# Allegro board RK_NVR_DEMO_RK3568_DDR4P216SD4_V12_20201221YWQ_final.brd
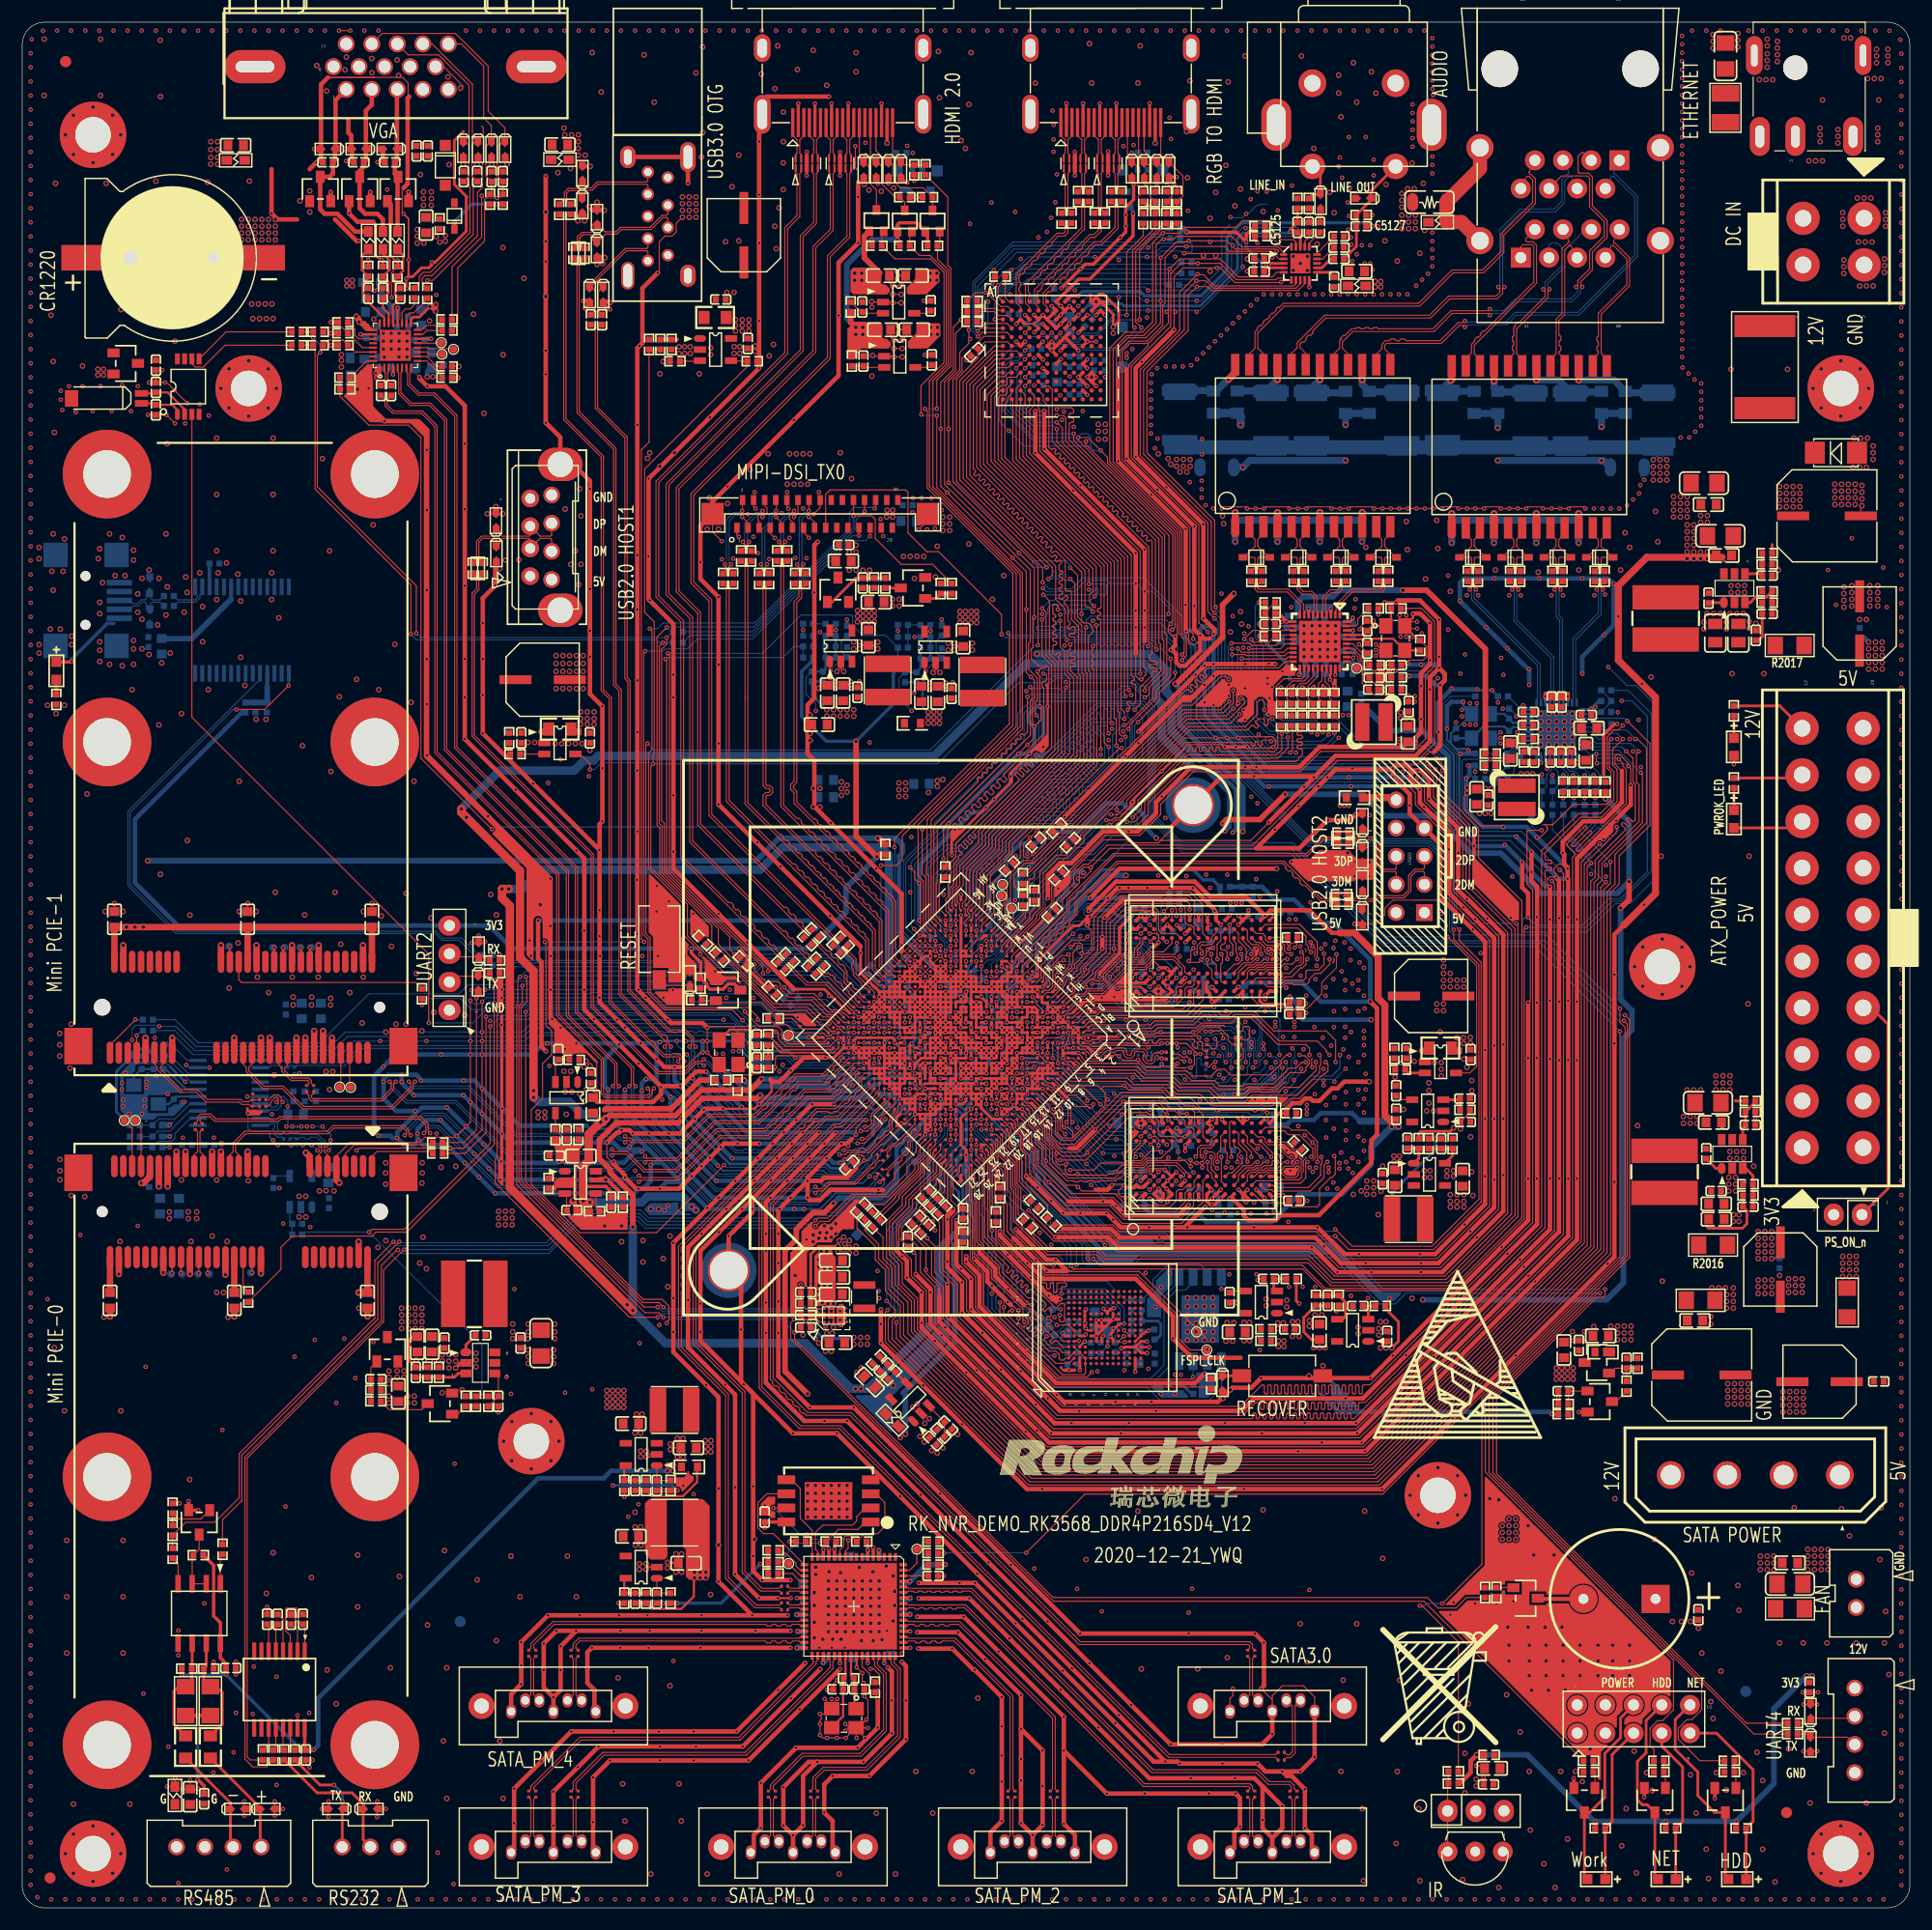
[diagram p0: board, top side]
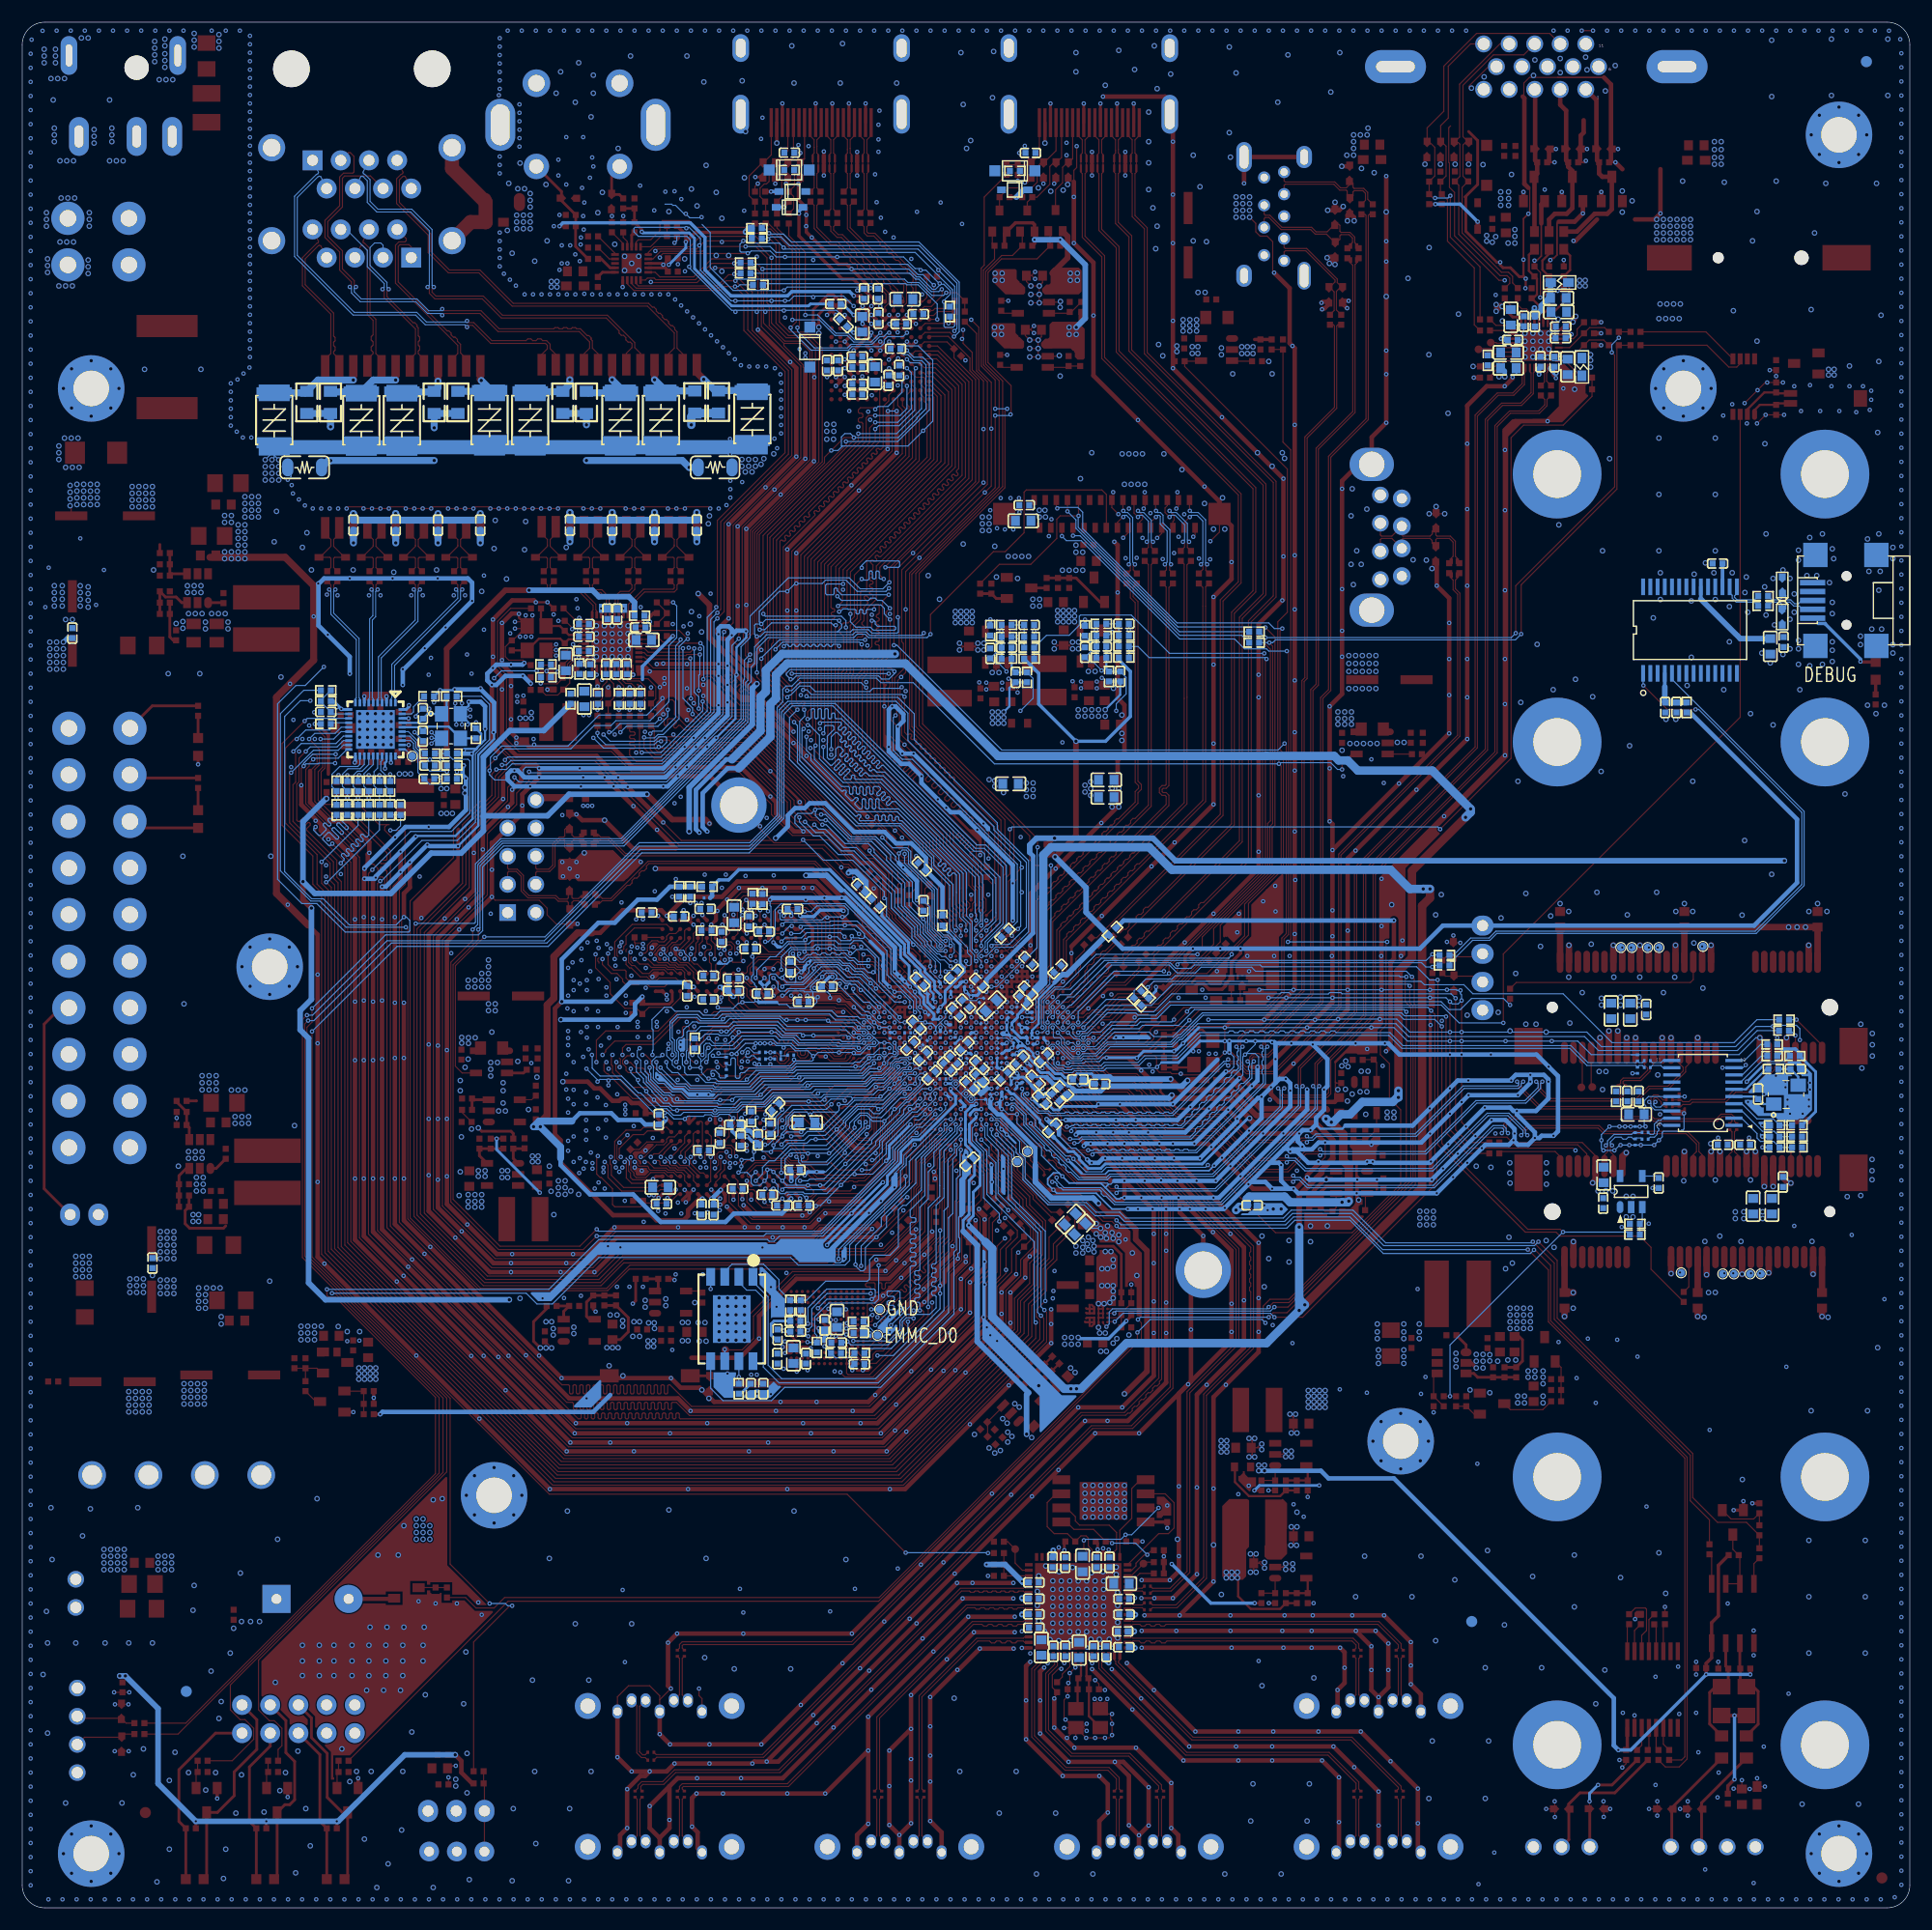
[diagram p1: board, bottom side, seen from below]

Outline 170.08 x 169.98 mm; copper layers: TOP, GND, POWER, BOTTOM. Coordinates in mm from the lower left corner of the outline.
Outline path: 0,167.94 0,2.03 arc(0.6,0.6) 2.03,0 168.05,0 arc(169.48,0.6) 170.08,2.03 170.08,167.94 arc(169.48,169.38) 168.05,169.98 2.03,169.98 arc(0.6,169.38) 0,167.94

## Design rules (mm)
constraint set DEFAULT: min track width 0.102, pair gap 0.102
net group CLK0N: nets CLK0N CLK_0N
net group CLK0P: nets CLK0P CLK_0P
net group CLK1N: nets CLK1N CLK_1N
net group CLK1P: nets CLK1P CLK_1P
net group CLK3: nets CLK3N CLK3P
net group DDR4_BG1: nets DDR4_BG1 DDR4_BG1/VSS
net group DEBUG0_USBDM: nets DEBUG0_USB_DM DEBUG0_USBDM
net group DEBUG0_USBDP: nets DEBUG0_USB_DP DEBUG0_USBDP
net group DP9: nets PCIE30_REFCLKN_IN PCIE30_REFCLKP_IN
net group DP_TX_AUX: nets DP_TX_AUXN DP_TX_AUXP
net group EDP_TX_AUX: nets EDP_TX_AUXN EDP_TX_AUXP
net group EDP_TXD0N: nets EDP_TX_D0N EDP_TXD0N
net group EDP_TXD0P: nets EDP_TX_D0P EDP_TXD0P
net group EDP_TXD1N: nets EDP_TX_D1N EDP_TXD1N
net group EDP_TXD1P: nets EDP_TX_D1P EDP_TXD1P
net group EMMC_CLKOUT: nets EMMC_CLKOUT EMMC_CLKOUT_SOC
net group EMMC_DATA_STROBE: nets EMMC_DATA_STROBE EMMC_DATA_STROBE_SOC
net group EMMC_RSTN: nets EMMC_RSTN EMMC_RSTN/FSPI_D2
net group ETH0_REFCLKO_25M: nets ETH0_REFCLKO_25M GPIO2_C1
net group ETH1_REFCLKO_25M_M1: nets ETH1_REFCLKO_25M_M1 GPIO4_B3_D
net group GMAC0_RXCLK: nets GMAC0_RXCLK PHY0_RXCLK/PHYAD1
net group GMAC0_RXD0: nets GMAC0_RXD0 PHY0_RXD0/RXDLY
net group GMAC0_RXD1: nets GMAC0_RXD1 PHY0_RXD1/TXDLY
net group GMAC0_RXD2: nets GMAC0_RXD2 PHY0_RXD2/PLLOFF
net group GMAC0_RXD3: nets GMAC0_RXD3 PHY0_RXD3/PHYAD0
net group GMAC0_RXDV_CRS: nets GMAC0_RXDV_CRS PHY0_RXDV/PHYAD2
net group GMAC0_TXCLK: nets GMAC0_TXCLK GPIO2_B0
net group GMAC0_TXD0: nets GMAC0_TXD0 GPIO2_B3
net group GMAC0_TXD1: nets GMAC0_TXD1 GPIO2_B4
net group GMAC0_TXD2: nets GMAC0_TXD2 GPIO2_A6
net group GMAC0_TXD3: nets GMAC0_TXD3 GPIO2_A7
net group GMAC0_TXEN: nets GMAC0_TXEN GPIO2_B5
net group GMAC1_RXCLK_M1: nets GMAC1_RXCLK_M1 PHY1_RXCLK/PHYAD1
net group GMAC1_RXD0_M1: nets GMAC1_RXD0_M1 PHY1_RXD0/RXDLY
net group GMAC1_RXD1_M1: nets GMAC1_RXD1_M1 PHY1_RXD1/TXDLY
net group GMAC1_RXD2_M1: nets GMAC1_RXD2_M1 PHY1_RXD2/PLLOFF
net group GMAC1_RXD3_M1: nets GMAC1_RXD3_M1 PHY1_RXD3/PHYAD0
net group GMAC1_RXDV_CRS_M1: nets GMAC1_RXDV_CRS_M1 PHY1_RXDV/PHYAD2
net group GMAC1_TXCLK_M1: nets GMAC1_TXCLK_M1 GPIO4_A0_D
net group GMAC1_TXD0_M1: nets GMAC1_TXD0_M1 GPIO4_A4_D
net group GMAC1_TXD1_M1: nets GMAC1_TXD1_M1 GPIO4_A5_D
net group GMAC1_TXD2_M1: nets GMAC1_TXD2_M1 GPIO3_D6_D
net group GMAC1_TXD3_M1: nets GMAC1_TXD3_M1 GPIO3_D7_D
net group GMAC1_TXEN_M1: nets GMAC1_TXEN_M1 GPIO4_A6_D
net group HDMI14_TX0N: nets HDMI14_TX0N HDMI14_TX0N_PORT
net group HDMI14_TX0P: nets HDMI14_TX0P HDMI14_TX0P_PORT
net group HDMI14_TX1N: nets HDMI14_TX1N HDMI14_TX1N_PORT
net group HDMI14_TX1P: nets HDMI14_TX1P HDMI14_TX1P_PORT
net group HDMI14_TX2N: nets HDMI14_TX2N HDMI14_TX2N_PORT
net group HDMI14_TX2P: nets HDMI14_TX2P HDMI14_TX2P_PORT
net group HDMI14_TXCLKN: nets HDMI14_TXCLKN HDMI14_TXCLKN_PORT
net group HDMI14_TXCLKP: nets HDMI14_TXCLKP HDMI14_TXCLKP_PORT
net group HDMI_TX0N: nets HDMI_TX0N HDMI_TX0N_PORT
net group HDMI_TX0P: nets HDMI_TX0P HDMI_TX0P_PORT
net group HDMI_TX1N: nets HDMI_TX1N HDMI_TX1N_PORT
net group HDMI_TX1P: nets HDMI_TX1P HDMI_TX1P_PORT
net group HDMI_TX2N: nets HDMI_TX2N HDMI_TX2N_PORT
net group HDMI_TX2P: nets HDMI_TX2P HDMI_TX2P_PORT
net group HDMI_TXCLKN: nets HDMI_TXCLKN HDMI_TXCLKN_PORT
net group HDMI_TXCLKP: nets HDMI_TXCLKP HDMI_TXCLKP_PORT
net group LAN0_A: nets LAN0_A+ LAN0_A-
net group LAN0_B: nets LAN0_B+ LAN0_B-
net group LAN0_C: nets LAN0_C+ LAN0_C-
net group LAN0_D: nets LAN0_D+ LAN0_D-
net group LAN1_A: nets LAN1_A+ LAN1_A-
net group LAN1_B: nets LAN1_B+ LAN1_B-
net group LAN1_C: nets LAN1_C+ LAN1_C-
net group LAN1_D: nets LAN1_D+ LAN1_D-
net group LCDC_CLK: nets LCDC_CLK LCDC_CLK_SOC
net group MIPI_DSI_TX0_CLKN: nets MIPI_DSI_TX0_CLKN MIPI_DSI_TX0_CLKN/LVDS_TX0_CLKN
net group MIPI_DSI_TX0_CLKP: nets MIPI_DSI_TX0_CLKP MIPI_DSI_TX0_CLKP/LVDS_TX0_CLKP
net group MIPI_DSI_TX0_D0N: nets MIPI_DSI_TX0_D0N MIPI_DSI_TX0_D0N/LVDS_TX0_D0N
net group MIPI_DSI_TX0_D0P: nets MIPI_DSI_TX0_D0P MIPI_DSI_TX0_D0P/LVDS_TX0_D0P
net group MIPI_DSI_TX0_D1N: nets MIPI_DSI_TX0_D1N MIPI_DSI_TX0_D1N/LVDS_TX0_D1N
net group MIPI_DSI_TX0_D1P: nets MIPI_DSI_TX0_D1P MIPI_DSI_TX0_D1P/LVDS_TX0_D1P
net group MIPI_DSI_TX0_D2N: nets MIPI_DSI_TX0_D2N MIPI_DSI_TX0_D2N/LVDS_TX0_D2N
net group MIPI_DSI_TX0_D2P: nets MIPI_DSI_TX0_D2P MIPI_DSI_TX0_D2P/LVDS_TX0_D2P
net group MIPI_DSI_TX0_D3N: nets MIPI_DSI_TX0_D3N MIPI_DSI_TX0_D3N/LVDS_TX0_D3N
net group MIPI_DSI_TX0_D3P: nets MIPI_DSI_TX0_D3P MIPI_DSI_TX0_D3P/LVDS_TX0_D3P
net group PCIE30_RX0: nets PCIE30_RX0N PCIE30_RX0P
net group PCIE30_RX1: nets PCIE30_RX1N PCIE30_RX1P
net group PCIE30_TX0N: nets PCIE30_TX0_N PCIE30_TX0N
net group PCIE30_TX0P: nets PCIE30_TX0_P PCIE30_TX0P
net group PCIE30_TX1N: nets PCIE30_TX1_N PCIE30_TX1N
net group PCIE30_TX1P: nets PCIE30_TX1_P PCIE30_TX1P
net group PHY0_MDI0: nets PHY0_MDI0+ PHY0_MDI0-
net group PHY0_MDI1: nets PHY0_MDI1+ PHY0_MDI1-
net group PHY0_MDI2: nets PHY0_MDI2+ PHY0_MDI2-
net group PHY0_MDI3: nets PHY0_MDI3+ PHY0_MDI3-
net group PHY0_MDI_0: nets PHY0_MDI_0+ PHY0_MDI_0-
net group PHY0_MDI_1: nets PHY0_MDI_1+ PHY0_MDI_1-
net group PHY0_MDI_2: nets PHY0_MDI_2+ PHY0_MDI_2-
net group PHY0_MDI_3: nets PHY0_MDI_3+ PHY0_MDI_3-
net group PHY1_MDI0: nets PHY1_MDI0+ PHY1_MDI0-
net group PHY1_MDI1: nets PHY1_MDI1+ PHY1_MDI1-
net group PHY1_MDI2: nets PHY1_MDI2+ PHY1_MDI2-
net group PHY1_MDI3: nets PHY1_MDI3+ PHY1_MDI3-
net group PHY1_MDI_0: nets PHY1_MDI_0+ PHY1_MDI_0-
net group PHY1_MDI_1: nets PHY1_MDI_1+ PHY1_MDI_1-
net group PHY1_MDI_2: nets PHY1_MDI_2+ PHY1_MDI_2-
net group PHY1_MDI_3: nets PHY1_MDI_3+ PHY1_MDI_3-
net group SATA1RXN: nets SATA1_RXN SATA1RXN
net group SATA1RXP: nets SATA1_RXP SATA1RXP
net group SATA1TXN: nets SATA1_TXN SATA1TXN
net group SATA1TXP: nets SATA1_TXP SATA1TXP
net group SATA2_RXN: nets SATA2_RXN SATAPM_TXN5
net group SATA2_RXP: nets SATA2_RXP SATAPM_TXP5
net group SATA2_TXN: nets SATA2_TXN SATAPM_RXN5
net group SATA2_TXP: nets SATA2_TXP SATAPM_RXP5
net group SATAPM_RXN0: nets SATAPM_RXN0 SATAPM_RXN_0
net group SATAPM_RXN1: nets SATAPM_RXN1 SATAPM_RXN_1
net group SATAPM_RXN2: nets SATAPM_RXN2 SATAPM_RXN_2
net group SATAPM_RXN3: nets SATAPM_RXN3 SATAPM_RXN_3
net group SATAPM_RXN4: nets SATAPM_RXN4 SATAPM_RXN_4
net group SATAPM_RXP0: nets SATAPM_RXP0 SATAPM_RXP_0
net group SATAPM_RXP1: nets SATAPM_RXP1 SATAPM_RXP_1
net group SATAPM_RXP2: nets SATAPM_RXP2 SATAPM_RXP_2
net group SATAPM_RXP3: nets SATAPM_RXP3 SATAPM_RXP_3
net group SATAPM_RXP4: nets SATAPM_RXP4 SATAPM_RXP_4
net group SATAPM_TXN0: nets SATAPM_TXN0 SATAPM_TXN_0
net group SATAPM_TXN1: nets SATAPM_TXN1 SATAPM_TXN_1
net group SATAPM_TXN2: nets SATAPM_TXN2 SATAPM_TXN_2
net group SATAPM_TXN3: nets SATAPM_TXN3 SATAPM_TXN_3
net group SATAPM_TXN4: nets SATAPM_TXN4 SATAPM_TXN_4
net group SATAPM_TXP0: nets SATAPM_TXP0 SATAPM_TXP_0
net group SATAPM_TXP1: nets SATAPM_TXP1 SATAPM_TXP_1
net group SATAPM_TXP2: nets SATAPM_TXP2 SATAPM_TXP_2
net group SATAPM_TXP3: nets SATAPM_TXP3 SATAPM_TXP_3
net group SATAPM_TXP4: nets SATAPM_TXP4 SATAPM_TXP_4
net group SPDIF_TX_M1: nets N21886811 SPDIF_TX_M1
net group USB2_HOST2_D: nets USB2_HOST2_DM USB2_HOST2_DP
net group USB2_HOST2D: nets USB2_HOST2DM USB2_HOST2DP
net group USB2_HOST3_D: nets USB2_HOST3_DM USB2_HOST3_DP
net group USB2_HOST3D: nets USB2_HOST3DM USB2_HOST3DP
net group USB3_HOST1DM: nets USB3_HOST1_DM USB3_HOST1DM
net group USB3_HOST1DP: nets USB3_HOST1_DP USB3_HOST1DP
net group USB3_OTG0DM: nets USB3_OTG0_DM USB3_OTG0DM
net group USB3_OTG0DP: nets USB3_OTG0_DP USB3_OTG0DP
net group USB3_OTG0SSRXN: nets USB3_OTG0_SSRXN USB3_OTG0SSRXN
net group USB3_OTG0SSRXP: nets USB3_OTG0_SSRXP USB3_OTG0SSRXP
net group USB3_OTG0SSTXN: nets USB3_OTG0_SSTXN USB3_OTG0SSTXN
net group USB3_OTG0SSTXP: nets USB3_OTG0_SSTXP USB3_OTG0SSTXP
net group DDR4_CKE: nets DDR4_CKE DDR4_CKE_A DDR4_CKE_B
net group DDR4_CLKN: nets DDR4_CLKN DDR4_CLKN_A DDR4_CLKN_B
net group DDR4_CLKP: nets DDR4_CLKP DDR4_CLKP_A DDR4_CLKP_B
net group DDR4_CS0N: nets DDR4_CS0N DDR4_CS0N_A DDR4_CS0N_B
net group DDR4_ODT0: nets DDR4_ODT0 DDR4_ODT0_A DDR4_ODT0_B
net group DDR_DATA: nets DDR4_DML_A DDR4_DML_B DDR4_DMU_A DDR4_DMU_B DDR4_DQL0_A DDR4_DQL0_B DDR4_DQL1_A DDR4_DQL1_B DDR4_DQL2_A DDR4_DQL2_B DDR4_DQL3_A DDR4_DQL3_B DDR4_DQL4_A DDR4_DQL4_B DDR4_DQL5_A DDR4_DQL5_B DDR4_DQL6_A DDR4_DQL6_B DDR4_DQL7_A DDR4_DQL7_B DDR4_DQSL_N_A DDR4_DQSL_N_B DDR4_DQSL_P_A DDR4_DQSL_P_B DDR4_DQSU_N_A DDR4_DQSU_N_B DDR4_DQSU_P_A DDR4_DQSU_P_B DDR4_DQU0_A DDR4_DQU0_B DDR4_DQU1_A DDR4_DQU1_B DDR4_DQU2_A DDR4_DQU2_B DDR4_DQU3_A DDR4_DQU3_B DDR4_DQU4_A DDR4_DQU4_B DDR4_DQU5_A DDR4_DQU5_B DDR4_DQU6_A DDR4_DQU6_B DDR4_DQU7_A DDR4_DQU7_B
net group GMAC: nets GMAC0_MDC GMAC0_MDIO GMAC0_RSTN_GPIO1_B0 GMAC1_MDC_M1 GMAC1_MDIO_M1 GMAC1_RSTN_GPIO1_B1
net group GMAC0_MCLKINOUT: nets GMAC0_MCLKINOUT GPIO2_C2 PHY0_CLKOUT125
net group GMAC1_MCLKINOUT_M1: nets GMAC1_MCLKINOUT_M1 GPIO4_C1_D PHY1_CLKOUT125

## Placement (name value [footprint] x y rotation side)
BP7000  BEEP  [BEEP_650]  147.17 27.84 180 top
C1000  100nF  [C0201]  84.76 76.76 135 bottom
C1001  22uF  [C0603]  75.64 62.08 135 bottom
C1002  4.7uF  [C0402]  84.71 74.12 225 bottom
C1003  4.7uF  [C0402]  86.73 75.83 45 bottom
C1004  22uF  [C0603]  74.75 61.19 135 bottom
C1005  100nF  [C0201]  84.43 78.61 45 bottom
C1006  4.7uF  [C0402]  85.19 77.67 315 bottom
C1007  100nF  [C0201]  86.02 78.19 270 bottom
C1009  4.7uF  [C0402]  85.94 80.72 45 bottom
C1010  22uF  [C0603]  81.03 101.32 180 bottom
C1011  10uF  [C0603]  81.03 109.42 90 top
C1012  100nF  [C0201]  83.5 79.51 225 bottom
C1013  100nF  [C0201]  83.64 81.8 135 bottom
C1014  22uF  [C0603]  82.77 81.32 135 bottom
C1017  100nF  [C0201]  82.46 75.98 225 bottom
C1018  4.7uF  [C0402]  83.83 75.98 45 bottom
C1019  22uF  [C0603]  72.4 100.11 180 bottom
C1020  10uF  [C0603]  72.4 101.67 180 bottom
C1021  4.7uF  [C0402]  86.14 76.42 45 bottom
C1022  4.7uF  [C0402]  83.83 74.82 225 bottom
C1023  4.7uF  [C0402]  85.05 81.5 45 bottom
C1100  100nF  [C0201]  90.29 78.88 0 bottom
C1101  100nF  [C0201]  88.72 77.98 135 bottom
C1102  4.7uF  [C0402]  90.05 77.71 315 bottom
C1103  4.7uF  [C0402]  88.13 75.06 315 bottom
C1104  4.7uF  [C0402]  88.91 76.79 315 bottom
C1105  4.7uF  [C0402]  89.5 79.57 45 bottom
C1200  100nF  [C0201]  70.26 79.65 45 top
C1201  18pF  [C0402]  66.19 76.2 90 top
C1202  18pF  [C0402]  66.19 78.23 270 top
C1203  100nF  [C0201]  79.3 79.07 45 bottom
C1205  100nF  [C0201]  79.2 77.62 135 bottom
C1206  1uF  [C0402]  79.88 81.84 45 bottom
C1207  100nF  [C0201]  79.81 78.7 45 bottom
C1208  4.7uF  [C0402]  94.49 91.9 45 bottom
C1209  100nF  [C0201]  86.44 79.32 270 bottom
C1210  100nF  [C0201]  78.29 78.44 180 bottom
C1211  1uF  [C0402]  89.19 83.48 225 bottom
C1212  100nF  [C0201]  87.35 78.7 270 bottom
C1213  100nF  [C0201]  82 78.59 315 bottom
C1214  1uF  [C0402]  74.96 74.68 180 bottom
C1300  100nF  [C0201]  85.75 72.95 225 bottom
C1301  100nF  [C0201]  83.06 73.53 45 bottom
C1400  100nF  [C0402]  74.52 66.95 225 top
C1401  100nF  [C0201]  83.49 73.08 45 bottom
C1402  100nF  [C0201]  80.77 74.02 225 bottom
C1403  100nF  [C0201]  81.62 76.83 45 bottom
C1404  100nF  [C0201]  88.21 80.29 45 bottom
C1405  100nF  [C0201]  87.76 80.95 45 bottom
C1406  100nF  [C0201]  87.65 83.29 135 bottom
C1407  100nF  [C0201]  80.14 74.6 225 bottom
C1408  100nF  [C0201]  82.04 76.4 45 bottom
C1409  4.7uF  [C0402]  80.21 76.38 135 bottom
C1410  4.7uF  [C0402]  78.18 72.85 225 bottom
C1411  100nF  [C0201]  79.4 75.69 135 bottom
C1412  100nF  [C0201]  81.04 77.09 45 bottom
C1413  4.7uF  [C0402]  73 74.27 0 bottom
C1414  4.7uF  [C0402]  78.77 74.63 225 bottom
C1415  1uF  [C0402]  89.03 93.88 45 bottom
C1500  1nF  [C0402]  84.79 62.57 270 top
C1508  100nF  [C0201]  84.47 71.29 45 bottom
C1510  100nF  [C0201]  84.86 72.26 0 bottom
C1511  1uF  [C0402]  84.71 67.26 315 bottom
C1517  100nF  [C0201]  84.2 82.47 45 bottom
C1604  100nF  [C0201]  86.21 82.8 135 bottom
C1605  1uF  [C0402]  86.13 84.18 135 bottom
C1700  100nF  [C0201]  80.44 79.83 225 bottom
C1701  100nF  [C0201]  81.04 80.45 135 bottom
C1708  100nF  [C0201]  77.8 65.86 225 top
C1709  100nF  [C0201]  77.77 67.56 225 top
C1710  100nF  [C0201]  77.27 68.07 225 top
C1712  100nF  [C0201]  77.29 66.37 225 top
C1716  100nF  [C0402]  76.78 84.63 135 bottom
C1717  100nF  [C0201]  81.25 73.28 315 bottom
C1718  100nF  [C0201]  82.01 73.72 225 bottom
C1719  1uF  [C0402]  77.27 70.31 135 bottom
C1720  1uF  [C0402]  59.26 63.32 180 bottom
C1721  100nF  [C0201]  80.26 81 45 bottom
C1722  100nF  [C0201]  80.56 77.76 45 bottom
C1723  4.7uF  [C0402]  78.03 76.63 135 bottom
C1724  4.7uF  [C0402]  79.45 82.65 45 bottom
C1800  100nF  [C0201]  85.37 83.21 45 bottom
C1801  1uF  [C0402]  83.85 83.38 45 bottom
C1900  100nF  [C0201]  87.13 74.71 0 bottom
C2000  100uF  [E_E7]  162.61 125.48 0 top
C2001  10uF  [C1206]  151.54 128.42 180 top
C2002  100nF  [C0603]  151.94 126.49 180 top
C2003  2.2uF  [C1206]  153.47 166.93 90 top
C2004  100nF  [C0402]  151.74 67.97 90 top
C2005  10uF  [C1206]  151.89 72.57 180 top
C2006  100nF  [C0603]  152.41 70.8 180 top
C2007  22pF  [C0402]  155.5 63.2 0 top
C2008  120uF  [E_C6]  158.41 57.54 180 top
C2009  22uF  [C0603]  152.65 63.45 0 top
C2010  100nF  [C0402]  152.63 64.62 0 top
C2011  100nF  [C0402]  155.71 70.57 0 top
C2012  100nF  [C0402]  151.94 118.06 90 top
C2013  10uF  [C1206]  153.01 123.67 180 top
C2014  100nF  [C0603]  153.33 121.9 180 top
C2015  22pF  [C0402]  157.23 116.64 0 top
C2016  120uF  [E_C6]  165.56 115.77 0 top
C2017  22uF  [C0805]  154.64 114.91 90 top
C2018  100nF  [C0402]  156.21 114.71 90 top
C2019  100nF  [C0402]  157.23 120.09 0 top
C2020  10uF  [C1206]  159.28 29.19 0 top
C2021  100nF  [C0603]  159.28 31.1 0 top
C2022  22uF  [C0603]  152.65 62.08 0 top
C2023  100nF  [C0402]  158.34 58.12 270 bottom
C2024  22uF  [C0805]  152.55 114.91 90 top
C2025  100nF  [C0402]  165.56 114.91 90 bottom
C2027  120uF  [E_C6]  161.94 47.42 90 top
C2028  100nF  [C0402]  167.28 47.45 0 top
C2029  100uF  [E_E7]  151.33 48.03 0 top
C2030  100nF  [C0603]  150.72 52.93 0 top
C2100  10uF  [C0603]  50.35 67.77 180 top
C2101  1uF  [C0402]  47.95 67.81 0 top
C2102  22pF  [C0402]  53.06 63.61 270 top
C2103  10uF  [C0603]  129.79 65.74 90 top
C2104  100pF  [C0402]  127.86 68.88 270 top
C2105  DNP  [C0402]  49.53 62.89 0 top
C2106  22uF  [C0603]  123.7 65.84 90 top
C2107  100nF  [C0402]  122.58 65.74 90 top
C2108  100nF  [C0402]  124.81 68.91 90 top
C2109  10uF  [C0603]  84.77 114.4 270 top
C2110  100nF  [C0402]  80.57 110.92 270 bottom
C2111  22uF  [C0603]  82.5 109.41 90 top
C2112  100nF  [C0402]  83.74 109.47 90 top
C2113  10uF  [C0603]  76.24 114.5 270 top
C2114  100nF  [C0402]  71.15 111 90 bottom
C2115  22uF  [C0603]  73.96 109.51 90 top
C2116  100nF  [C0402]  75.26 109.58 90 top
C2117  DNP  [C0402]  82.85 113.08 90 bottom
C2118  DNP  [C0402]  74.31 113.18 90 bottom
C2120  100pF  [C0402]  81.38 113.59 0 bottom
C2122  100pF  [C0402]  72.85 113.7 0 bottom
C2123  10nF  [C0402]  79.35 115.64 180 bottom
C2124  10nF  [C0402]  70.81 115.74 180 bottom
C2125  22uF  [C0603]  73.4 50.96 180 top
C2126  100nF  [C0402]  70.6 55.48 180 top
C2127  22uF  [C0603]  73.2 58.37 180 top
C2128  22uF  [C0603]  73.2 55.32 180 top
C2129  22uF  [C0603]  73.2 56.84 180 top
C2130  10uF  [C0603]  142.23 51.56 180 top
C2131  100nF  [C0402]  144.55 49.09 270 top
C2132  10uF  [C0603]  138.91 50.29 90 top
C2133  100nF  [C0402]  140.26 50.7 90 top
C2134  100nF  [C0402]  70.6 52.32 180 top
C2135  1uF  [C0402]  122.99 51.51 90 top
C2136  DNP  [C0402]  117.62 54.75 90 top
C2137  10uF  [C0603]  116.89 51.92 90 top
C2138  1uF  [C0402]  82.07 42.08 315 top
C2139  DNP  [C0402]  77.64 48.69 45 top
C2140  10uF  [C0603]  76.36 47.4 135 top
C2141  100nF  [C0402]  120.35 54.25 180 top
C2142  100nF  [C0402]  83.43 43.46 315 top
C2145  100nF  [C0402]  138.85 46.57 180 top
C2150  22uF  [C0603]  71.83 106.65 180 top
C2151  22uF  [C0603]  72.54 109.51 90 top
C2200  12pF  [C0402]  12.04 135.03 270 top
C2201  DNP  [C0402]  12.04 137.05 90 top
C2202  100nF  [C0402]  12.04 139.06 270 top
C2203  1uF  [C0402]  51.23 74.79 270 top
C2204  22pF  [C0402]  49.06 69.7 270 top
C2205  10uF  [C0603]  51.43 72.34 90 top
C2206  DNP  [C0402]  48.31 76.91 90 top
C2300  1uF  [C0402]  114.22 52.14 0 top
C2301  4.7uF  [C0603]  109.5 51.92 180 top
C2302  DNP  [C0402]  112.32 56.69 180 top
C2303  DNP  [C0402]  108.79 55.01 270 top
C2500  100nF  [C0402]  51.23 143.15 90 top
C2501  100nF  [C0402]  52.25 143.15 90 top
C2502  1uF  [C0402]  65.38 141.02 270 top
C2503  120uF  [E_C6]  65.02 150.77 0 top
C2504  100nF  [C0402]  62.94 144.98 0 top
C2505  1uF  [C0402]  51.16 105.46 270 top
C2506  100nF  [C0402]  44.96 105.47 270 top
C2507  120uF  [E_C6]  46.89 110.71 270 top
C2510  1uF  [C0402]  130.51 76.91 270 top
C2511  120uF  [E_C6]  126.95 82.19 270 top
C2512  100nF  [C0402]  124.72 77.02 270 top
C3300  100pF  [C0201]  100.84 76.86 180 bottom
C3301  1nF  [C0402]  114.58 63.74 0 top
C3302  1nF  [C0402]  114.66 80.57 0 top
C3303  1nF  [C0201]  108.37 91.04 180 bottom
C3304  1nF  [C0201]  88.23 82.14 45 bottom
C3305  1nF  [C0402]  108.86 62.94 270 bottom
C3306  1nF  [C0402]  110.16 82.65 270 bottom
C3307  10uF  [C0603]  112.57 64.95 0 bottom
C3308  10uF  [C0603]  99.35 70.79 180 bottom
C3309  10uF  [C0603]  105.94 89.5 90 bottom
C3310  1uF  [C0402]  107.78 62.93 270 bottom